# Altium PCB Whitespace_Daughtercard.PcbDoc (part 3 of 5) (continued)
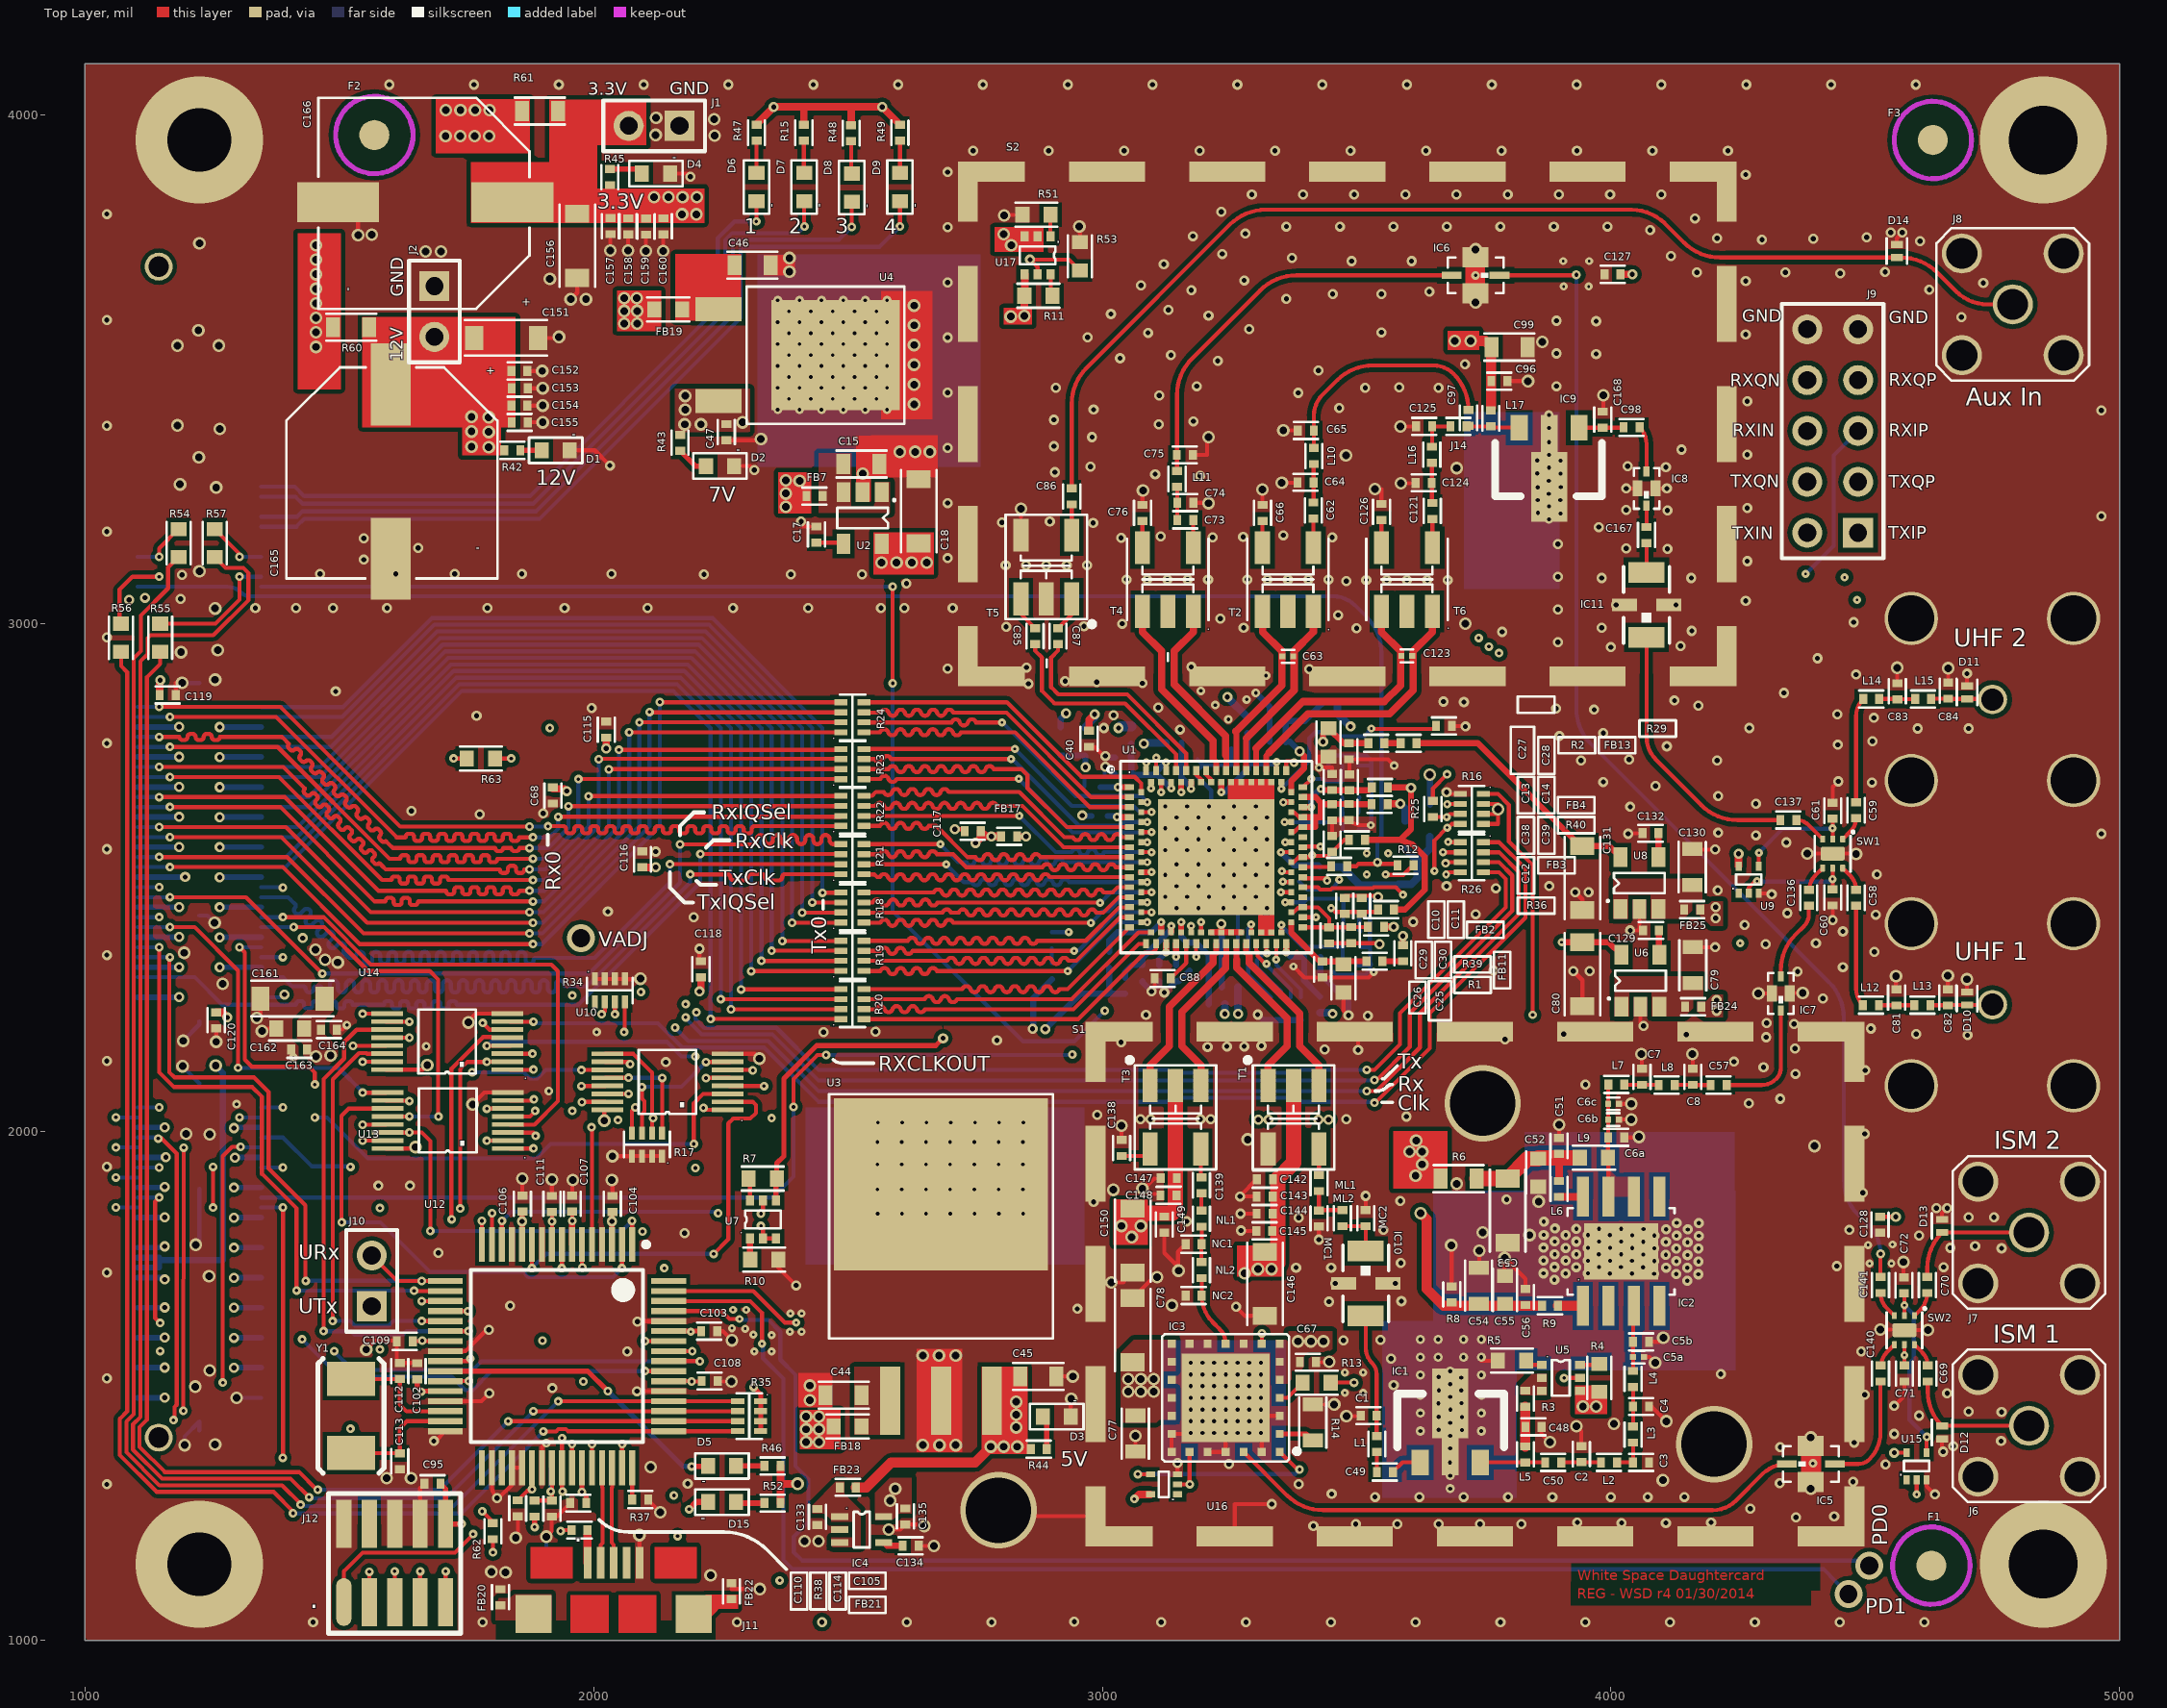
[diagram p0: Top Layer view]
## Nets (pads, with @x,y where several pads share a name; then routed paths per layer and width w, separated by ;. In a path a pad name is that pad's centre, name@x,y a point inside that pad or via, vN(x,y) a via of type N, cw(c..) or ccw(c..) an arc to the next point about the centre after c; other vN are vias at no path point) (continued)
NetR22_7: R22.7 U1.14 | length 636.6
  Top Layer w7.94: R22.7@2531.64,2621.16 2531.8,2621 v5(2837,2621) ; U1.14@3076.36,2549.84 v5(3096.58,2549.84)
  Bottom Layer w7.94: v5(2837,2621) 2908.16,2549.84 2924.03,2549.84 2939.91,2549.84 cw(c2947.84,2547.59) 2955.78,2549.84 ccw(c2963.72,2552.09) 2971.65,2549.84 cw(c2979.59,2547.59) 2987.53,2549.84 ccw(c2995.46,2552.09) 3003.4,2549.84 3019.28,2549.84 3035.15,2549.84 3045,2549.84 v5(3096.58,2549.84)
NetR22_8: R22.8 U1.15 | length 624.4
  Top Layer w7.94: R22.8@2531.64,2601.47 2547.51,2601.47 2563.39,2601.47 cw(c2571.32,2599.22) 2579.26,2601.47 ccw(c2587.2,2603.72) 2595.13,2601.47 cw(c2603.07,2599.22) 2611.01,2601.47 ccw(c2618.94,2603.72) 2626.88,2601.47 cw(c2634.82,2599.22) 2642.76,2601.47 ccw(c2650.69,2603.72) 2658.63,2601.47 2660,2601.47 2673.53,2601.47 2735,2540 2750.87,2540 ccw(c2758.81,2542.25) 2766.75,2540 cw(c2774.68,2537.75) 2782.62,2540 ccw(c2790.56,2542.25) 2798.5,2540 cw(c2806.43,2537.75) 2814.37,2540 ccw(c2822.31,2542.25) 2830.24,2540 cw(c2838.18,2537.75) 2846.12,2540 ccw(c2854.05,2542.25) 2861.99,2540 cw(c2869.93,2537.75) 2877.87,2540 2890,2540 U1.15@3053.72,2540
NetR23_5: R23.5 U1.6 | length 636.9
  Top Layer w7.94: R23.5@2531.64,2752.53 2532.11,2753 v5(2828,2753) ; U1.6@3076.36,2628.58 v5(3096.58,2628.58)
  Bottom Layer w7.94: v5(2828,2753) 2940,2641 3061.06,2641 3073.48,2628.58 v5(3096.58,2628.58)
NetR23_6: R23.6 U1.8 | length 639.4
  Top Layer w7.94: R23.6@2531.64,2732.84 2531.8,2733 2552.87,2733 ccw(c2560.81,2735.25) 2568.75,2733 cw(c2576.68,2730.75) 2584.62,2733 v5@2823,2733 ; U1.8@3076,2609 U1.8@3076.36,2609 ; U1.8@3076.36,2608.9 3089.12,2608.9 v5@3089.22,2609
  Bottom Layer w7.94: v5@2823,2733 2954.47,2601.53 3036.24,2601.53 3043.7,2609 v5@3089.22,2609
  other v5: 3088.22,2609 2821,2733
NetR23_7: R23.7 U1.9 | length 655.3
  Top Layer w7.94: R23.7@2531.64,2713.16 2580,2713.16 cw(c2587.94,2710.91) 2595.87,2713.16 ccw(c2603.81,2715.41) 2611.75,2713.16 cw(c2619.68,2710.91) 2627.62,2713.16 ccw(c2635.56,2715.41) 2643.5,2713.16 cw(c2651.43,2710.91) 2659.37,2713.16 ccw(c2667.31,2715.41) 2675.24,2713.16 cw(c2683.18,2710.91) 2691.12,2713.16 ccw(c2699.05,2715.41) 2706.99,2713.16 cw(c2714.93,2710.91) 2722.87,2713.16 ccw(c2730.8,2715.41) 2738.74,2713.16 cw(c2746.68,2710.91) 2754.61,2713.16 ccw(c2762.55,2715.41) 2770.49,2713.16 cw(c2778.43,2710.91) 2786.36,2713.16 2840.84,2713.16 2852.97,2701.03 2852.97,2676.03 2929.94,2599.06 U1.9@3053.72,2599.06
NetR23_8: R23.8 U1.10 | length 640.3
  Top Layer w7.94: R23.8@2531.64,2693.47 2532.17,2694 2548.04,2694 2563.91,2694 cw(c2571.85,2691.75) 2579.79,2694 ccw(c2587.72,2696.25) 2595.66,2694 2611.54,2694 2627.41,2694 2643.28,2694 2659.16,2694 2663,2694 v5(2836,2694) ; U1.10@3076.36,2589.21 v5(3096.58,2589.21)
  Bottom Layer w7.94: v5(2836,2694) 2941.41,2588.59 3095.96,2588.59 v5(3096.58,2589.21)
NetR24_5: R24.5 U1.2 | length 656.6
  Top Layer w7.94: R24.5@2531.64,2844.53 2812.47,2844.53 ; 2784,2844.53 2812.47,2844.53 ; U1.2@3076.36,2667.95 3076.36,2685.43 3063.8,2698 2959,2698 2812.47,2844.53
NetR24_6: R24.6 U1.3 | length 640.5
  Top Layer w7.94: R24.6@2531.64,2824.84 2532.48,2824 2548.35,2824 2564.23,2824 cw(c2572.17,2821.75) 2580.1,2824 ccw(c2588.04,2826.25) 2595.98,2824 cw(c2603.91,2821.75) 2611.85,2824 ccw(c2619.79,2826.25) 2627.72,2824 cw(c2635.66,2821.75) 2643.6,2824 ccw(c2651.54,2826.25) 2659.47,2824 cw(c2667.41,2821.75) 2675.35,2824 ccw(c2683.28,2826.25) 2691.22,2824 cw(c2699.16,2821.75) 2707.09,2824 2722.97,2824 2738.84,2824 2754.72,2824 2770.59,2824 2780,2824 2811.88,2824 2977.77,2658.11 U1.3@3053.72,2658.11
NetR24_7: R24.7 U1.4 | length 652.6
  Top Layer w7.94: R24.7@2531.64,2805.16 2531.8,2805 2704,2805 cw(c2711.94,2802.75) 2719.87,2805 ccw(c2727.81,2807.25) 2735.75,2805 cw(c2743.68,2802.75) 2751.62,2805 v5(2803,2805) ; U1.4@3076.36,2648.27 v5@3089.58,2648.27
  Bottom Layer w7.94: v5(2803,2805) 2948,2660 3077.85,2660 v5@3089.58,2648.27
  other v5: 3088.58,2648.27
NetR24_8: R24.8 U1.5 | length 637.9
  Top Layer w7.94: R24.8@2531.64,2785.47 2547.51,2785.47 2563.39,2785.47 cw(c2571.32,2783.22) 2579.26,2785.47 ccw(c2587.2,2787.72) 2595.13,2785.47 cw(c2603.07,2783.22) 2611.01,2785.47 ccw(c2618.94,2787.72) 2626.88,2785.47 cw(c2634.82,2783.22) 2642.76,2785.47 ccw(c2650.69,2787.72) 2658.63,2785.47 cw(c2666.57,2783.22) 2674.5,2785.47 ccw(c2682.44,2787.72) 2690.38,2785.47 cw(c2698.31,2783.22) 2706.25,2785.47 ccw(c2714.19,2787.72) 2722.13,2785.47 2738,2785.47 2753.87,2785.47 2769.75,2785.47 2785.62,2785.47 2792,2785.47 2828.53,2785.47 2975.57,2638.43 3020.89,2638.43 3020.94,2638.47 U1.5@3053.68,2638.47 ; U1.5@3053.68,2638.47 U1.5@3053.72,2638.43
NetR27_1: R27.1 R28.2 | length 29.5
  Bottom Layer w7.94: R28.2@2901,2331.5 R27.1@2901,2361
NetR36_1: R36.1 U1.71 | length 56
  Top Layer w7.94: U1.71@3394.28,2520.32 3394.96,2521 R36.1@3450,2521
NetR37_1: R37.1 U12.48 | length 62.1
  Top Layer w7.94: R37.1@2075.64,1277.36 U12.48@2075.64,1339.51
NetR51_2: R51.2 U17.1 | length 41.7
  Top Layer w7.94: U17.1@2898.12,3761.28 R51.2@2898.12,3803
NetU1_103: U1.103 U1.104 | length 26.7
  Top Layer w7.94: U1.104@3204.32,2710.28 3204.32,2702.29 3214.16,2692.45 U1.103@3214.16,2687.64
NetU1_105: U1.105 U1.106 | length 26.7
  Top Layer w7.94: U1.106@3184.63,2710.28 3184.63,2702.51 3194.47,2692.67 U1.105@3194.47,2687.64
NetU13_3: U13.3 U14.3 | length 264.1
  Top Layer w7.94: U13.3@1836,1998.5 v2@1881.67,1998.5 ; U14.3@1836,2153.5 v2(1880,2153.5)
  MidLayer1 w7.94: v2(1880,2153.5) 1863,2136.5 1863,2017.64 v2@1885.32,1995.32
  other v2: 1886,1992
NetU13_6: U13.6 U14.6 | length 291.8
  Top Layer w7.94: v2(1782,2214) 1795.26,2200.74 U14.6@1836,2200.74 ; v2@1790.33,2045.74 U13.6@1836,2045.74
  MidLayer1 w7.94: v2(1782,2214) 1808,2188 1808,2122.48 1790.09,2104.57 v2(1790.09,2045.5)
NetU13_10: U13.10 U14.10 | length 261.9
  Top Layer w7.94: U13.10@1591.91,2061.49 v2@1637.58,2061.49 ; U14.10@1591.91,2216.49 v2@1637.58,2216.49
  MidLayer1 w7.94: v2@1637.81,2061.72 1637.81,2101.24 1619,2120.05 1619,2197.91 v2(1637.81,2216.72)
  other v2: 1637.81,2060.72
NetU13_13: U13.13 U14.13 | length 273.2
  Top Layer w7.94: v2@1527.24,2169.24 U14.13@1591.91,2169.24 ; v2@1546.24,2014.24 U13.13@1591.91,2014.24
  MidLayer1 w7.94: v2(1527,2169) 1527,2033.01 v2(1546,2014.01)
NMI: J3.119 U12.55 | length 1366.4
  Top Layer w7.94: v2(1146,1870.87) 1138,1862.87 1138,1634 v2(1148,1624) ; v2@2101.08,1529.47 U12.55@2147.49,1529.47
  MidLayer2 w7.94: v2(1148,1624) 1395,1624 v2(1427,1592)
  Bottom Layer w7.94: J3.119@1103.35,1870.87 v2(1146,1870.87) ; v2(1427,1592) 1500.35,1518.65 1721.35,1518.65 1747.79,1492.22 1762.26,1492.22 1799.62,1529.57 v2(2100.98,1529.57)
PA0: J3.91 J10.2 U12.17 | length 1296.6
  Top Layer w7.94: v2(1167,2343.31) 1166.03,2343.31 1166.03,2116.97 1176,2107 1332,2107 1361,2078 1361,1928 1433.47,1855.53 1433.47,1707.53 v8(1434,1707) ; J10.2@1564,1757 1614.26,1706.74 v2(1662,1706.74) ; v2@1662.1,1706.64 U12.17@1708.51,1706.64
  Bottom Layer w7.94: J3.91@1103.35,2343.31 v2(1167,2343.31) ; v8(1434,1707) 1661.74,1707 v2(1662,1706.74)
PA1: J3.89 J10.1 U12.18 | length 1243
  Top Layer w7.94: v2(1146,2362.99) 1146,2117 1175,2088 1329,2088 1348,2069 1348,1917.19 1416,1849.19 v8(1416,1688) ; v2@1647.42,1686.95 U12.18@1708.51,1686.95
  Bottom Layer w7.94: J3.89@1103.35,2362.99 v2(1146,2362.99) ; v8(1416,1688) 1564,1688 ; J10.1@1564,1657 1564,1688 ; v2(1647,1687.37) 1646.37,1688 1564,1688
PA2: U12.19 U14.5 | length 669.8
  Top Layer w7.94: v2@1662.1,1667.27 U12.19@1708.51,1667.27 ; v2(1721,1828) 1720.48,1828.52 1720.48,2124.09 1782.86,2186.48 1797.33,2186.48 1798.81,2184.99 U14.5@1836,2184.99
  MidLayer1 w7.94: v2(1662,1667.37) 1721,1726.37 v2(1721,1828)
PA3: U12.20 U14.2 | length 630.1
  Top Layer w7.94: U12.20@1708.51,1647.58 v2(1753,1647.58) ; v2(1738,1849) 1738,2123.32 1752.19,2137.51 v2(1790.09,2137.51) ; v2@1790.33,2137.75 U14.2@1836,2137.75
  MidLayer1 w7.94: v2(1738,1849) 1742,1845 1742,1658.58 v2(1753,1647.58)
PA4: U12.21 U14.14 | length 831.6
  Top Layer w7.94: v2(1487,1628) 1487,2103.22 1538.76,2154.98 1553.24,2154.98 1554.72,2153.5 U14.14@1591.91,2153.5 ; v2(1662,1628) 1662.1,1627.9 U12.21@1708.51,1627.9
  Bottom Layer w7.94: v2(1487,1628) 1521.26,1628 1530.76,1618.5 1597.24,1618.5 1606.74,1628 v2(1662,1628)
PA5: U12.22 U14.11 | length 1013.9
  Top Layer w7.94: v2(1469,1608) 1469.47,1608.47 1469.47,2103.98 1509.53,2144.04 1509.53,2176.24 1517.89,2184.6 1534.04,2200.74 U14.11@1591.91,2200.74 ; U12.22@1708.51,1608.21 1708.72,1608 v2(1754,1608)
  Bottom Layer w7.94: v2(1469,1608) 1522.97,1608 1529.97,1601 1625,1601 1632,1608 v2(1754,1608)
PB0: J3.107 U12.41 | length 1517.6
  Top Layer w7.94: v2(1144,1987) 1151,1987 1180.53,1957.47 1180.53,1463.23 1176,1458.7 v8@1176,1435 ; v2@1937.84,1293.1 U12.41@1937.84,1339.51 1937.84,1397.84 v2(1938,1398)
  MidLayer2 w7.94: v8@1176,1435 1177,1434 1810,1434 1826,1450 1856,1450 1874,1432 1910,1432 1938,1404 v2(1938,1398)
  Bottom Layer w7.94: J3.107@1103.35,1988.98 1146,1988.98 v2(1144,1987)
  other v2: 1938.74,1293
  other v8: 1174,1433
PB1: J3.108 U12.42 | length 1222.2
  Top Layer w7.94: U12.42@1957.53,1339.51 v2@1957.53,1385.92
  MidLayer1 w7.94: v2@1524,1416 v8@1524,1932
  MidLayer2 w7.94: v2(1522,1416) 1567.47,1370.53 1777,1370.53 1942.14,1370.53 v2(1957.63,1386.02)
  Bottom Layer w7.94: J3.108@1346.65,1988.98 1389.31,1988.98 1446.28,1932 v8@1522,1932
  other v8: 1522,1931
PB2: J3.109 R62.2 U12.47 | length 2058.2
  Top Layer w7.94: v8(1193.47,1451.47) v2(1194,1969) ; v2(1781,1254) 1802,1233 R62.2@1802,1230.5 ; U12.47@2055.95,1339.51 v2@2055.95,1385.92
  MidLayer1 w7.94: v2(1781,1254) 2013,1254 2056.06,1297.06 v2(2056.06,1386.02)
  MidLayer2 w7.94: v2(1060.69,1969.29) v2@1194,1969.29 ; v8(1193.47,1451.47) 1805.47,1451.47 1823,1469 1888,1469 1905.53,1451.47 1990.61,1451.47 v2(2056.06,1386.02)
  Bottom Layer w7.94: v2(1060.69,1969.29) J3.109@1103.35,1969.29
PB3: J3.110 R63.2 U12.27 | length 2470.9
  Top Layer w7.94: v2(1271,1507) 1271,1952.09 1289.2,1970.29 v2(1306,1970.29) ; U12.27@1708.51,1509.79 v2@1754.92,1509.79 ; v2(1725,2734) R63.2@1750.88,2734
  MidLayer1 w7.94: v2@1725,2729 1725,2476.87 1897.94,2303.94 1897.94,2256.06 1942.41,2211.59 1942.41,2067.41 1917.94,2042.94 1917.94,1969.64 1896.53,1948.24 1896.53,1651.19 v2(1755.02,1509.69)
  MidLayer2 w7.94: v2(1271,1507) v2@1752.34,1507
  Bottom Layer w7.94: v2@1304,1969.29 J3.110@1346.65,1969.29
PB4: J3.113 U12.58 | length 1396.8
  Top Layer w7.94: v2@2101.08,1588.53 U12.58@2147.49,1588.53
  MidLayer1 w7.94: v2(1580,1572) 1622,1614 1622,1808 v2(1580,1850)
  MidLayer2 w7.94: v2(1146,1929.92) 1165.92,1910 1303,1910 1332,1881 1549,1881 v2(1580,1850) ; v2@1580,1572.06 1907.29,1572.06 1923.86,1588.63 v2(2100.98,1588.63)
  Bottom Layer w7.94: J3.113@1103.35,1929.92 v2(1146,1929.92)
PB5: J3.114 R53.2 U12.57 U17.5 | length 3985.5
  Top Layer w7.94: U12.57@2147.49,1568.84 v2@2193.9,1568.84 ; U17.5@2873,3686 2873,3700 v1(2858,3715) 2934.88,3715 R53.2@2956,3693.88
  MidLayer1 w7.94: v2@1915,2794 2052,2657 2052,2488 2142.53,2397.47 2142.53,2197.76 2182.53,2157.76 2182.53,2055.76 2214.47,2023.83 2214.47,1968.76 2200,1954.3 v2(2200,1929) 2200,1622.8 2207.97,1614.83 2207.97,1582.71 v2(2194,1568.74)
  MidLayer2 w7.94: v2(1389.31,1929.92) 1494.08,1929.92 1511,1913 1531,1913 1547.94,1929.94 2199.06,1929.94 v2(2200,1929) ; v2(1914,2794) 1914,2868.79 2416.21,3371 2831,3371 2870,3410 2870,3703 v1(2858,3715)
  Bottom Layer w7.94: J3.114@1346.65,1929.92 v2(1389.31,1929.92)
PB6: J3.115 U12.56 | length 1581.4
  Top Layer w7.94: U12.56@2147.49,1549.16 v2@2208.58,1549.16
  MidLayer2 w7.94: v2(1060.69,1910.24) 1060.69,1878.69 1041,1859 1041,1846 1065.5,1821.5 1065.5,1651.5 v2(1148,1569) v2(1490,1569)
  Bottom Layer w7.94: v2(1060.69,1910.24) J3.115@1103.35,1910.24 ; v2@1489.5,1568.5 1526.41,1531.59 1762.26,1531.59 1779.41,1548.74 v2(2209,1548.74)
PC4: U10.2 U12.11 | length 816.7
  Top Layer w7.94: v2@1878.79,1732.08 U12.11@1878.79,1778.49 ; v2(2236,1760) 2265,1789 2265,2016.5 2274.5,2026 2308,2026 2319,2037 2319,2053 2313.25,2058.75 U10.2@2267,2058.75
  Bottom Layer w7.94: v2(1878.69,1731.98) 1906.71,1760 v2(2236,1760)
PC5: U10.5 U12.14 | length 801.6
  Top Layer w7.94: U12.14@1819.73,1778.49 v2@1819.73,1824.9 ; v2@2221.33,2105.99 U10.5@2267,2105.99
  MidLayer1 w7.94: v2(2221.09,2105.76) 2245,2081.85 v2(2245,1840)
  Bottom Layer w7.94: v2(1819.83,1825) 1837.8,1842.97 2242.03,1842.97 v2(2245,1840)
PC6: U10.11 U12.15 | length 645.5
  Top Layer w7.94: U12.15@1800.05,1778.49 v2@1800.05,1839.58 ; v2@1977.24,2121.74 U10.11@2022.91,2121.74
  MidLayer1 w7.94: v2(1761,2117) 1761,2084 1740,2063 1740,1900.46 v2(1800.46,1840)
  Bottom Layer w7.94: v2(1761,2117) 1862.44,2117 1874.67,2104.77 1889.14,2104.77 1905.88,2121.5 v2@1977,2121.5
  other v2: 1976,2121.5
PC7: U10.14 U12.16 | length 702.2
  Top Layer w7.94: U12.16@1780.36,1778.49 v2@1780.36,1824.9 ; U10.14@2022.91,2074.5 v2@2068.57,2074.5
  MidLayer1 w7.94: v2(2068.81,2074.73) 2064.53,2070.45 2064.53,2036.48 2065.47,2035.55 2065.47,1865.47 2065,1865 2096,1834 v2(2096,1804)
  MidLayer2 w7.94: v2(1780.46,1825) 1801.46,1804 v2(2096,1804)
PD0: U12.61 | length 2833.1
  Top Layer w7.94: U12.61@2147.49,1647.58 2251.42,1647.58 2267,1632 v5(2287,1632)
  Bottom Layer w7.94: v5(2287,1632) 2289.03,1629.97 2344.03,1629.97 2366.97,1607.03 2366.97,1552.03 2396.53,1522.47 2396.53,1342.83 2422.47,1316.89 2422.47,1232.83 2393.53,1203.89 2393.53,1173.53 2410,1157.06 4490.94,1157.06 v13@4508,1140
  other v13: 4508,1147
PD1: U12.62 | length 2818.2
  Top Layer w7.94: U12.62@2147.49,1667.27 2307.73,1667.27 2330.97,1644.03 v5(2331,1583)
  Bottom Layer w7.94: v5(2331,1583) 2333.03,1580.97 2333.03,1554.97 2373,1515 2373,1158.13 2391.06,1140.06 4417.94,1140.06 4443,1115 v13(4467,1091)
PD2: R13.2 U12.63 | length 1526.5
  Top Layer w7.94: U12.63@2147.49,1686.95 2273.96,1686.95 2288.03,1686.97 2295.96,1686.95 2310.03,1686.97 2314.05,1686.95 2376,1625 v5(2398,1625) ; R13.2@3449.12,1507 v17(3495,1507)
  MidLayer2 w7.94: v5(2398,1625) 3477,1625 3495,1607 v17(3495,1507)
PD3: U12.64
PE0: U12.6 U13.5 | length 493.3
  Top Layer w7.94: U13.5@1836,2029.99 1874.99,2029.99 v2@1885,2040 ; v2@1977,1733 1977.21,1733.21 U12.6@1977.21,1778.49
  MidLayer1 w7.94: v2@1958,2040 1979.47,2018.53 1979.47,2018.17 1978.53,2017.24 1978.53,2002.76 1979.47,2001.83 1979.47,1914.89 1980.47,1913.89 1980.47,1735.47 v2(1978,1733) ; v2@1977,1733 v2@1979.47,1735.47
  MidLayer2 w7.94: v2@1885,2040 v2@1958,2040
  other v2: 1885,2041 1958,2041
PE1: U12.5 U13.2 | length 496.9
  Top Layer w7.94: v2@1790.33,1982.75 U13.2@1836,1982.75 ; v2@1996,2010 1997,2011 1997,1825 1996.9,1824.9 U12.5@1996.9,1778.49
  MidLayer2 w7.94: v2(1790.09,1982.51) 1849.22,1982.51 1876.71,2010 v2@1996,2010
  other v2: 1996,2009
PE2: U12.2 U13.11 | length 951.8
  Top Layer w7.94: v2@1504.47,1822 1504.47,2031.47 1518.74,2045.74 U13.11@1591.91,2045.74 ; v2@2055.95,1732.08 U12.2@2055.95,1778.49
  Bottom Layer w7.94: v2(1505,1822) 1581,1822 1678.53,1724.47 1861.49,1724.47 1871.45,1714.51 2038.38,1714.51 v2(2055.85,1731.98)
PE3: U12.1 U13.14 | length 722.2
  Top Layer w7.94: U13.14@1591.91,1998.5 v2@1637.58,1998.5 ; v2(1637.81,1998.73) 1662.27,1998.73 1679,1982 v2(1679,1805) ; U12.1@2075.64,1778.49 v2@2075.64,1824.9
  Bottom Layer w7.94: v2(1679,1805) 2055.74,1805 v2(2075.74,1825)
PE4: R17.5 U5.5 U12.8 | length 3347.5
  Top Layer w7.94: v2@1937.84,1732.08 U12.8@1937.84,1778.49 ; R17.5@2075.47,1997.64 2075.47,2041.47 v2(2082,2048) ; v2(3908,1516) U5.5@3939,1516
  MidLayer1 w7.94: v2(1937.74,1731.98) v2@1938.53,1732.77 ; v2(2082,2048) 2082,2018 2140,1960 2140,1275 2165,1250 v2(2165,1205)
  MidLayer2 w7.94: v2(1937.74,1731.98) 1950.98,1731.98 1970,1751 2068,1751 2087,1732 v2@2140,1732 ; v2(2165,1205) 2212,1158 3908,1158 v2(3908,1516)
  other v2: 2139,1732
PLL_CLK_OUT: J3.40 U1.41 | length 2752.7
  Top Layer w7.94: v2(2588,2882) v8(2588,3072) ; U1.41@3194.47,2392.36 v5(3194.47,2412.58)
  MidLayer1 w7.94: v2(3005,2238) 3005,2279 3095.97,2369.97 3184.87,2369.97 3194.47,2379.57 v5(3194.47,2412.58)
  Bottom Layer w7.94: J3.40@1346.65,3071.65 1379.35,3071.65 1379.69,3072 v8(2588,3072) ; v2(2588,2882) 2588,2434 2844,2178 2945,2178 v2(3005,2238)
PLLCLK: J3.39 R12.2 R36.2 | length 3029.5
  Top Layer w7.94: R36.2@3481.5,2522 3499,2522 3504.03,2527.03 3538.03,2527.03 v18(3541,2530) 3543.97,2527.03 R12.2@3577.47,2527.03
  Bottom Layer w7.94: J3.39@1103.35,3071.65 1280.28,3071.65 cw(c1280.28,3035.28) 1306,3061 ccw(c1325.31,3080.31) 1325.31,3053 3453.54,3053 cw(c3453.54,2991.54) 3497,3035 3519.71,3012.29 cw(c3449,2941.58) 3549,2941.58 3549,2582 3541,2574 v18(3541,2530)
PVDDAD33_2: C41.2 C43.2 R102.1 R103.1 U1.1 U1.12 U1.18 U1.34 | length 694.9
  Top Layer w12: v2(3031,2677.8) U1.1@3053.72,2677.8 ; U1.18@3076.36,2510.47 v5(3096.58,2510.47) ; v5(3125.57,2353) U1.34@3125.57,2369.72
  MidLayer2 w12: v1(2967,2717) 2987,2697 3011.8,2697 v2(3031,2677.8) 3067,2641.8 3067,2569.53 ; v5(3088.58,2569.53) 3067,2569.53 ; v5(3096.58,2510.47) 3067,2510.47 ; v5(3125.57,2353) 3119,2353 3066.5,2405.5 3067,2406 3067,2510.47 ; 3067,2510.47 3067,2569.53
  Bottom Layer w12: R102.1@2918,2740 R103.1@2966,2740 ; v1(2967,2717) R103.1@2967,2739 ; C41.2@2996.5,2677.8 v2(3031,2677.8) ; C43.2@3112,2327.5 3112,2339.43 v5(3125.57,2353)
PVDDSPI33_2: C35.1 FB15.2 U1.74 | length 108.3
  Top Layer w7.94: v5(3351.42,2549.84) U1.74@3371.64,2549.84
  Bottom Layer w12: v5(3351.42,2549.84) 3377.26,2524 C35.1@3387,2524 3387.28,2523.72 3424.79,2523.72 FB15.2@3427.5,2521
PVGG_2: C42.2 FB17.2 U1.7 | length 256.9
  Top Layer w7.94: v2(3029,2619) v2@3029.26,2618.74
  Top Layer w12: FB17.2@2832,2581 v1(2850,2581) ; v2@3029.26,2618.74 U1.7@3053.72,2618.74
  MidLayer2 w12: v1(2850,2581) 2991,2581 v2(3029,2619)
  Bottom Layer w7.94: v2@3027,2621 v2(3029,2619)
  Bottom Layer w12: C42.2@3010.5,2621 v2@3027,2621
RAVDD18_2: C16.1 FB5.1 U1.35 | length 166
  Top Layer w7.94: v5@3135.42,2405.58 v5@3135.42,2406.58
  Top Layer w12: U1.35@3135.42,2392.36 v5@3135.42,2405.58
  Bottom Layer w12: FB5.1@3045,2303 3045,2314 3059,2328 C16.1@3079,2328 3079,2342 3134.73,2397.73 3134.73,2404.9 v5@3135.42,2405.58
  other v5: 3135.42,2404.58
RDVDD18_2: C9.2 FB1.1 U1.33 U1.36 | length 283.3
  Top Layer w12: U1.33@3115.73,2392.36 v5(3115.73,2412.58) ; v5@3145.26,2344.11 U1.36@3145.26,2369.72
  MidLayer2 w12: v5(3115.73,2412.58) 3115.73,2394.27 3145.15,2364.85 v5(3145.15,2344)
  Bottom Layer w12: FB1.1@3014,2354 3014,2376.83 3029.58,2392.42 3096.82,2392.42 3115.73,2411.33 v5(3115.73,2412.58) ; C9.2@3145,2327.5 3145.15,2327.65 v5(3145.15,2344)
RX3_4_N: C85.2 U1.110 | length 444.6
  Top Layer w7.94: C85.2@2868,2958.7 2868,2946 2881.53,2932.47 2881.53,2866.57 2906.04,2842.06 3044.94,2842.06 3145.26,2741.74 U1.110@3145.26,2710.28
RX3_4_P: C87.2 U1.108 | length 447.3
  Top Layer w7.94: C87.2@2913,2958.7 2913,2946 2899.47,2932.47 2899.47,2874 2913.47,2860 3049,2860 3164.94,2744.06 U1.108@3164.94,2712.26 ; U1.108@3163.2,2714.01 U1.108@3164.94,2712.26 ; U1.108@3164.94,2710.28 U1.108@3164.94,2712.26 ; U1.108@3165.94,2711.27 U1.108@3164.94,2712.26
RX_CLK: J3.95 R21.3 | length 1706
  Top Layer w7.94: v8@2209.84,2546 R21.3@2486,2546
  Bottom Layer w7.94: J3.95@1103.35,2303.94 1216.06,2303.94 1270.31,2249.69 1407,2249.69 1413.49,2249.69 ccw(c1413.49,2251.14) 1414.94,2251.14 cw(c1420.49,2251.14) 1420.49,2256.69 1425.26,2256.69 cw(c1425.26,2251.14) 1430.81,2251.14 1430.81,2249.69 1430.81,2248.25 ccw(c1436.37,2248.25) 1436.37,2242.69 1441.13,2242.69 ccw(c1441.13,2248.25) 1446.69,2248.25 1446.68,2249.69 1446.68,2251.14 cw(c1452.24,2251.14) 1452.24,2256.69 1457,2256.69 cw(c1457,2251.14) 1462.56,2251.14 1462.56,2249.69 1462.56,2248.25 ccw(c1468.11,2248.25) 1468.11,2242.69 1472.88,2242.69 ccw(c1472.88,2248.25) 1478.43,2248.25 1478.43,2249.69 1478.43,2251.14 cw(c1483.99,2251.14) 1483.99,2256.69 1488.75,2256.69 cw(c1488.75,2251.14) 1494.31,2251.14 1494.31,2249.69 1494.31,2248.25 ccw(c1499.86,2248.25) 1499.86,2242.69 1504.63,2242.69 ccw(c1504.63,2248.25) 1510.18,2248.25 1510.18,2249.69 1510.18,2251.14 cw(c1515.74,2251.14) 1515.74,2256.69 1520.5,2256.69 cw(c1520.5,2251.14) 1526.06,2251.14 ccw(c1527.5,2251.14) 1527.5,2249.69 1537,2249.69 1580,2249.69 1586.49,2249.69 ccw(c1586.49,2251.14) 1587.94,2251.14 cw(c1593.49,2251.14) 1593.49,2256.69 1598.26,2256.69 cw(c1598.26,2251.14) 1603.81,2251.14 1603.81,2249.69 1603.81,2248.25 ccw(c1609.37,2248.25) 1609.37,2242.69 1614.13,2242.69 ccw(c1614.13,2248.25) 1619.69,2248.25 1619.68,2249.69 1619.68,2251.14 cw(c1625.24,2251.14) 1625.24,2256.69 1630,2256.69 cw(c1630,2251.14) 1635.56,2251.14 1635.56,2249.69 1635.56,2248.25 ccw(c1641.11,2248.25) 1641.11,2242.69 1645.88,2242.69 ccw(c1645.88,2248.25) 1651.43,2248.25 1651.43,2249.69 1651.43,2251.14 cw(c1656.99,2251.14) 1656.99,2256.69 1661.75,2256.69 cw(c1661.75,2251.14) 1667.31,2251.14 1667.31,2249.69 1667.31,2248.25 ccw(c1672.86,2248.25) 1672.86,2242.69 1677.63,2242.69 ccw(c1677.63,2248.25) 1683.18,2248.25 1683.18,2249.69 1683.18,2251.14 cw(c1688.74,2251.14) 1688.74,2256.69 1693.5,2256.69 cw(c1693.5,2251.14) 1699.06,2251.14 1699.06,2249.69 1699.06,2248.25 ccw(c1704.61,2248.25) 1704.61,2242.69 1709.37,2242.69 ccw(c1709.37,2248.25) 1714.93,2248.25 1714.93,2249.69 1714.93,2251.14 cw(c1720.48,2251.14) 1720.48,2256.69 1725.25,2256.69 cw(c1725.25,2251.14) 1730.8,2251.14 ccw(c1732.25,2251.14) 1732.25,2249.69 1760,2249.69 1969.54,2249.69 2209.84,2490 v8@2209.84,2546.16
  other v8: 2210,2546.16
RX_CLK_IN_4: R21.6 U1.17 | length 620.4
  Top Layer w7.94: R21.6@2531.64,2545.84 2547.51,2545.84 2563.39,2545.84 cw(c2571.32,2543.59) 2579.26,2545.84 ccw(c2587.2,2548.09) 2595.13,2545.84 cw(c2603.07,2543.59) 2611.01,2545.84 ccw(c2618.94,2548.09) 2626.88,2545.84 cw(c2634.82,2543.59) 2642.76,2545.84 ccw(c2650.69,2548.09) 2658.63,2545.84 cw(c2666.57,2543.59) 2674.5,2545.84 2690.38,2545.84 2695,2545.84 2707.16,2545.84 2732.68,2520.32 2883,2520.32 cw(c2890.94,2518.07) 2898.87,2520.32 ccw(c2906.81,2522.56) 2914.75,2520.31 cw(c2922.68,2518.07) 2930.62,2520.32 ccw(c2938.56,2522.56) 2946.5,2520.31 cw(c2954.43,2518.07) 2962.37,2520.32 ccw(c2970.31,2522.56) 2978.24,2520.31 cw(c2986.18,2518.07) 2994.12,2520.32 ccw(c3002.05,2522.56) 3009.99,2520.31 cw(c3017.93,2518.07) 3025.87,2520.32 3041,2520.32 U1.17@3053.72,2520.32
RX_CLK_OUT: J3.120 U1.40 | length 2213.8
  Top Layer w7.94: v2(2393,2049) 2393,2104 2440,2151 v8(2457,2151) ; v5@3184.63,2344.11 U1.40@3184.63,2369.72
  MidLayer1 w7.94: v2@2941,2151 3063,2151 3184.52,2272.52 v5(3184.52,2344)
  Bottom Layer w7.94: J3.120@1346.65,1870.87 2351.87,1870.87 2393,1912 v2(2393,2049) ; v8(2457,2151) v2@2941,2151
  other v2: 2941,2152
RX_EN: J3.77 R16.7 U1.76 | length 3571.5
  Top Layer w7.94: v10(3678,2644) 3678.68,2644.68 R16.7@3703.72,2644.68
  MidLayer1 w7.94: v5@3358.42,2569.53 3411.53,2569.53 3423,2581 3615,2581 v10(3678,2644) 3680.41,2644 3760,2723.59 v2@3760,2952
  MidLayer2 w7.94: v2(1146,2481.1) 1278.32,2481.1 1302.22,2505 1723,2505 2170,2952 v2@3760,2952
  Bottom Layer w7.94: J3.77@1103.35,2481.1 v2(1146,2481.1)
  other v2: 3760,2954
  other v5: 3359.42,2569.53
RX_IQ_SEL: J3.79 R21.4 | length 1705.6
  Top Layer w7.94: v2(1167,2461.42) 1316.58,2461.42 v2(1466.72,2311.28) ; v8(2170,2565.16) 2185,2565.21 2192.97,2565.23 2208.91,2565.25 2224.84,2565.28 2240.78,2565.3 2256.72,2565.33 2272.65,2565.35 2288.59,2565.38 2304.53,2565.4 2312.5,2565.41 ccw(c2312.48,2573.38) 2320.45,2573.39 2320.45,2575.46 cw(c2328.42,2575.47) 2328.41,2583.44 cw(c2328.42,2575.47) 2336.39,2575.48 2336.39,2573.42 ccw(c2344.36,2573.43) 2344.37,2565.46 ccw(c2344.36,2573.43) 2352.33,2573.44 2352.32,2575.51 cw(c2360.29,2575.52) 2360.28,2583.49 cw(c2360.29,2575.52) 2368.26,2575.53 2368.26,2573.47 ccw(c2376.23,2573.48) 2376.24,2565.51 ccw(c2376.23,2573.48) 2384.2,2573.49 2384.2,2575.56 cw(c2392.17,2575.57) 2392.15,2583.54 cw(c2392.17,2575.57) 2400.13,2575.58 2400.14,2573.52 ccw(c2408.11,2573.53) 2408.12,2565.56 ccw(c2408.11,2573.53) 2416.07,2573.54 2416.07,2575.61 cw(c2424.04,2575.62) 2424.03,2583.59 cw(c2424.04,2575.62) 2432.01,2575.63 2432.01,2573.57 ccw(c2439.98,2573.58) 2439.99,2565.61 ccw(c2439.98,2573.58) 2447.95,2573.59 2447.95,2575.66 cw(c2455.91,2575.67) 2455.9,2583.64 cw(c2455.91,2575.67) 2463.88,2575.68 2463.89,2573.62 ccw(c2471.85,2573.63) 2471.87,2565.66 2474,2565.67 R21.4@2486,2565.69
  Bottom Layer w7.94: J3.79@1103.35,2461.42 v2(1167,2461.42) ; v2(1466.72,2311.28) 1991.28,2311.28 2170,2490 v8(2170,2565.16)
RX_IQ_SEL_IN_4: R21.5 U1.16 | length 651.6
  Top Layer w7.94: R21.5@2531.64,2565.53 v5(2681.53,2565.53) ; U1.16@3076.36,2530.16 v5@3089.58,2530.16
  Bottom Layer w7.94: v5(2681.53,2565.53) 2716.9,2530.16 2732.77,2530.16 ccw(c2740.71,2532.41) 2748.65,2530.16 cw(c2756.58,2527.91) 2764.52,2530.16 ccw(c2772.46,2532.41) 2780.39,2530.16 cw(c2788.33,2527.91) 2796.27,2530.16 ccw(c2804.2,2532.41) 2812.14,2530.16 cw(c2820.08,2527.91) 2828.02,2530.16 ccw(c2835.95,2532.41) 2843.89,2530.16 cw(c2851.83,2527.91) 2859.76,2530.16 ccw(c2867.7,2532.41) 2875.64,2530.16 cw(c2883.57,2527.91) 2891.51,2530.16 ccw(c2899.45,2532.41) 2907.39,2530.16 cw(c2915.32,2527.91) 2923.26,2530.16 v5@3089.58,2530.16
  other v5: 3088.58,2530.16
RXCPOUT_4: C90.2 C91.2 R30.2 U1.80 | length 191.9
  Top Layer w7.94: v5(3358.42,2608.9) U1.80@3371.64,2608.9
  Bottom Layer w7.94: v5(3358.42,2608.9) 3444.84,2608.9 3446.94,2611 3472.5,2611 ; R30.2@3472,2657.5 3472,2628.5 C90.2@3472.5,2628 3472.5,2611 ; C91.2@3472.5,2594 3472.5,2611